# KiCad board Left.kicad_pcb
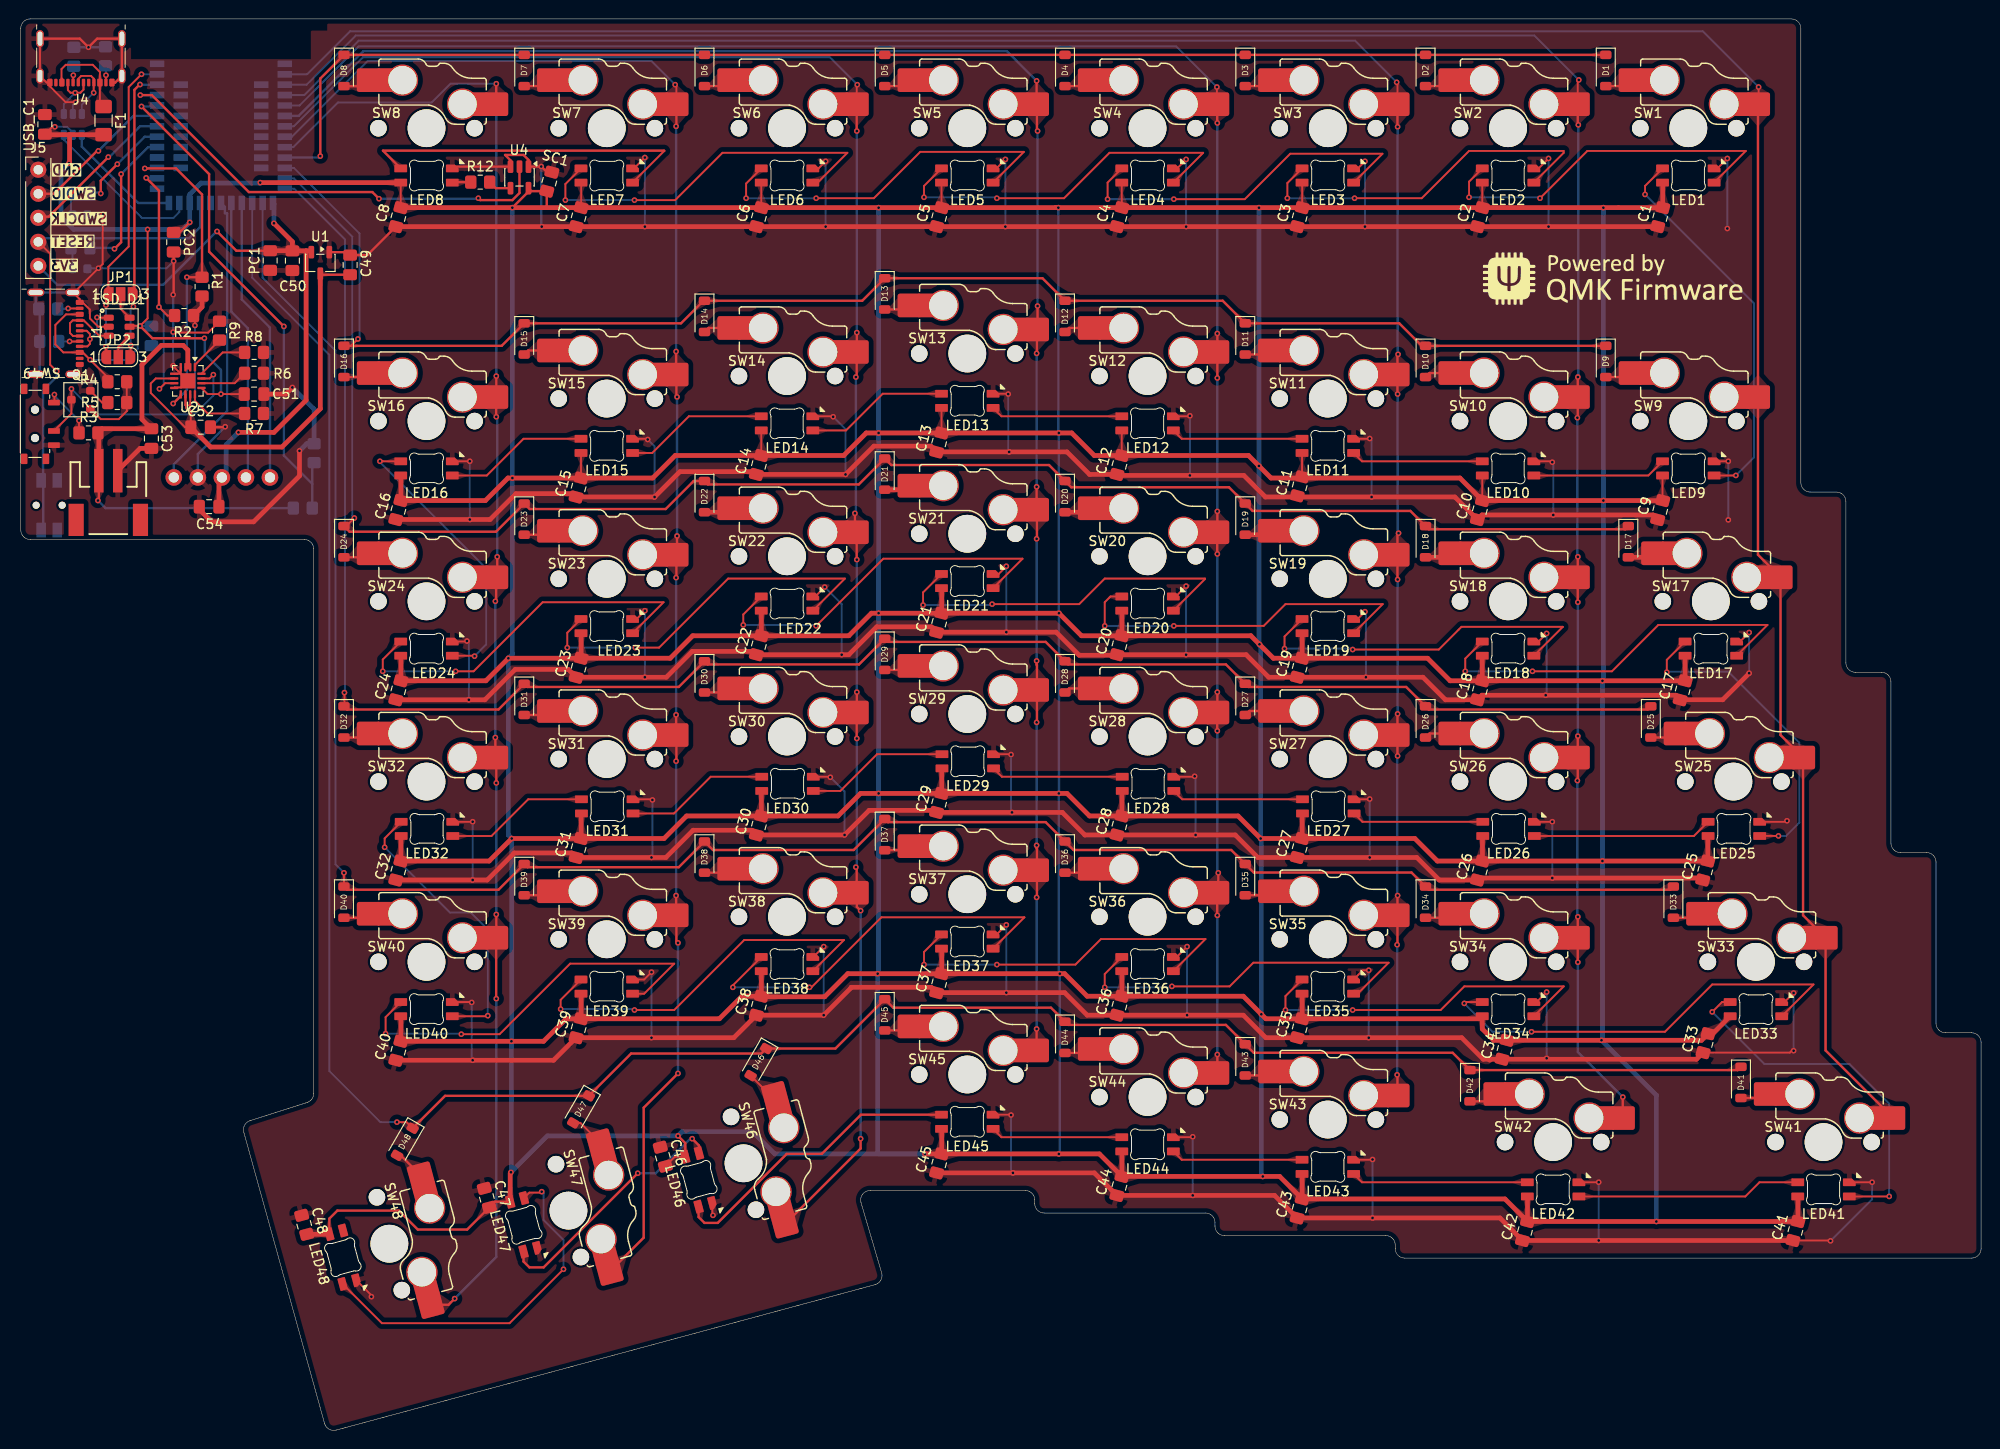
[diagram p0: board, top side]
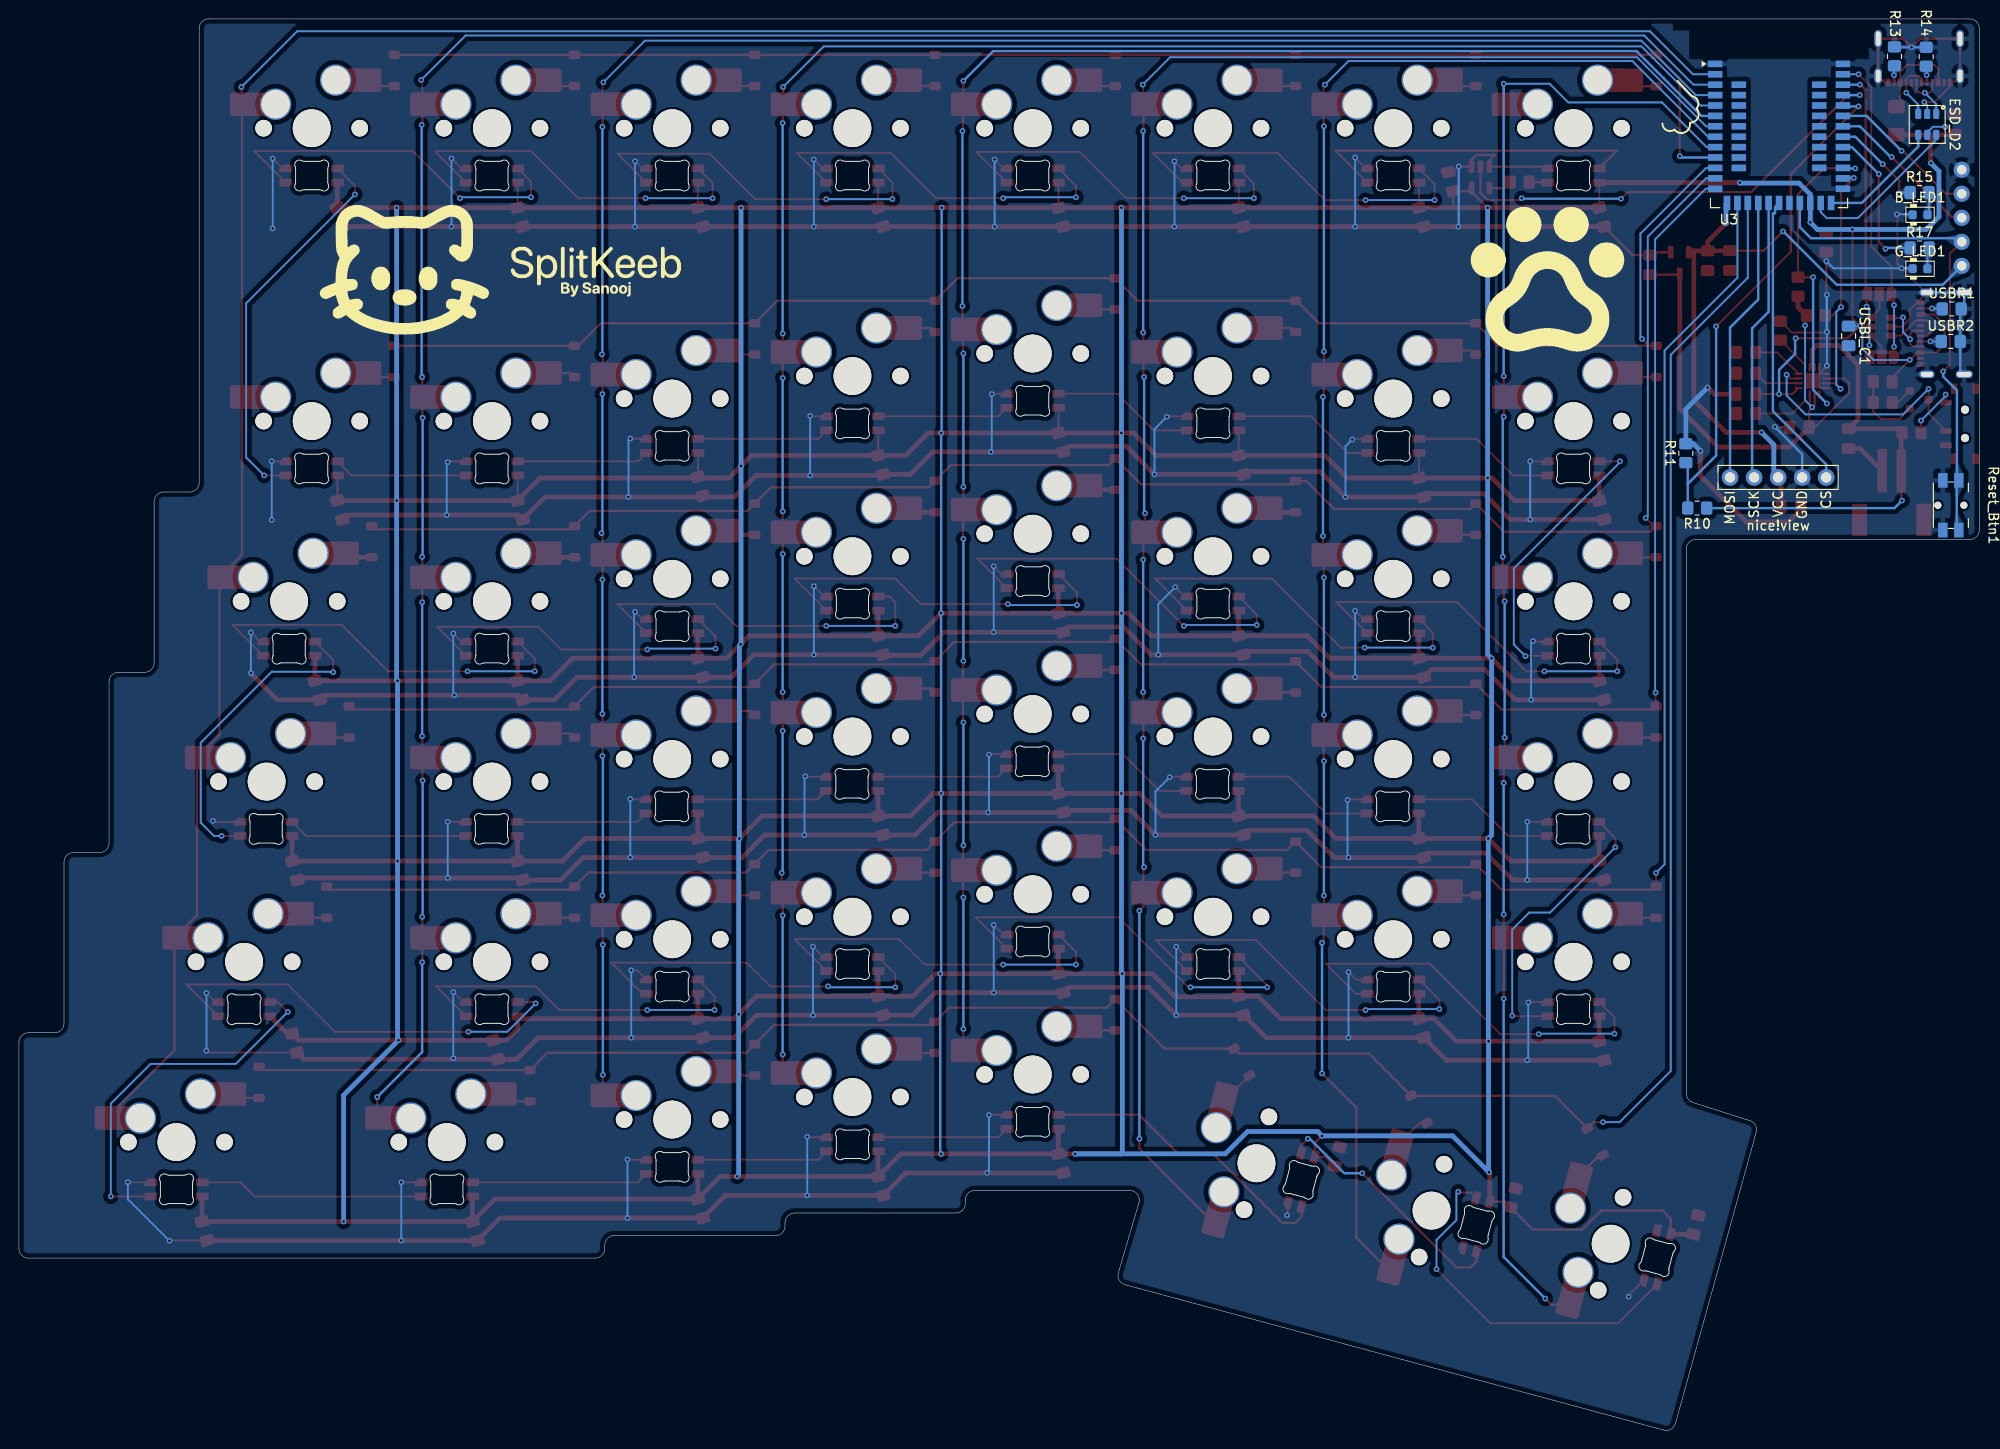
[diagram p1: board, bottom side, seen from below]

Outline 207.17 x 149.15 mm; copper layers: Top, Bottom. Coordinates in mm from the lower left corner of the outline.
Outline path: 0,148.16 arc(0.3,148.86) 1,149.15 187.12,149.15 arc(187.83,148.85) 188.12,148.15 188.12,100.14 arc(188.42,99.43) 189.13,99.14 191.89,99.14 arc(192.59,98.84) 192.88,98.14 192.88,81.09 arc(193.17,80.38) 193.88,80.09 196.64,80.09 arc(197.35,79.8) 197.64,79.09 197.64,62.04 arc(197.94,61.33) 198.64,61.04 201.41,61.04 arc(202.11,60.75) 202.41,60.04 202.41,42.99 arc(202.7,42.28) 203.42,41.99 206.18,41.99 arc(206.88,41.69) 207.17,40.99 207.17,19.17 arc(206.87,18.47) 206.17,18.18 146.25,18.18 arc(145.55,18.48) 145.26,19.18 145.26,19.56 arc(144.96,20.27) 144.26,20.56 127.21,20.56 arc(126.5,20.85) 126.21,21.56 126.21,21.94 arc(125.91,22.65) 125.2,22.94 108.15,22.94 arc(107.45,23.24) 107.16,23.94 107.16,24.32 arc(106.86,25.03) 106.16,25.32 89.76,25.32 arc(88.96,24.92) 88.8,24.04 90.99,16.59 arc(90.89,15.83) 90.28,15.37 33.33,0 arc(32.58,0.1) 32.11,0.7 23.57,31.49 arc(23.65,32.23) 24.23,32.7 30.26,34.63 arc(30.77,34.99) 30.96,35.58 30.96,93.13 arc(30.66,93.84) 29.96,94.13 1,94.13 arc(0.29,94.42) 0,95.13 0,148.16

## Placement (name value [footprint] x y rotation side)
B_LED1  LED_0603_Blue  [LED_0603_1608Metric]  6.26 128.45 180 bottom
C1  0.1uF  [C_0805_2012Metric_Pad1.18x1.45mm_HandSolder]  173.26 128.2 75 top
C2  0.1uF  [C_0805_2012Metric_Pad1.18x1.45mm_HandSolder]  154.21 128.2 75 top
C3  0.1uF  [C_0805_2012Metric_Pad1.18x1.45mm_HandSolder]  135.16 128.2 75 top
C4  0.1uF  [C_0805_2012Metric_Pad1.18x1.45mm_HandSolder]  116.11 128.2 75 top
C5  0.1uF  [C_0805_2012Metric_Pad1.18x1.45mm_HandSolder]  97.06 128.2 75 top
C6  0.1uF  [C_0805_2012Metric_Pad1.18x1.45mm_HandSolder]  78.01 128.2 75 top
C7  0.1uF  [C_0805_2012Metric_Pad1.18x1.45mm_HandSolder]  58.96 128.2 75 top
C8  0.1uF  [C_0805_2012Metric_Pad1.18x1.45mm_HandSolder]  39.91 128.2 75 top
C9  0.1uF  [C_0805_2012Metric_Pad1.18x1.45mm_HandSolder]  173.26 97.24 75 top
C10  0.1uF  [C_0805_2012Metric_Pad1.18x1.45mm_HandSolder]  154.21 97.24 75 top
C11  0.1uF  [C_0805_2012Metric_Pad1.18x1.45mm_HandSolder]  135.16 99.75 75 top
C12  0.1uF  [C_0805_2012Metric_Pad1.18x1.45mm_HandSolder]  116.11 102 75 top
C13  0.1uF  [C_0805_2012Metric_Pad1.18x1.45mm_HandSolder]  97.06 104.38 75 top
C14  0.1uF  [C_0805_2012Metric_Pad1.18x1.45mm_HandSolder]  78.01 102 75 top
C15  0.1uF  [C_0805_2012Metric_Pad1.18x1.45mm_HandSolder]  58.96 99.62 75 top
C16  0.1uF  [C_0805_2012Metric_Pad1.18x1.45mm_HandSolder]  39.91 97.24 75 top
C17  0.1uF  [C_0805_2012Metric_Pad1.18x1.45mm_HandSolder]  175.64 78.19 75 top
C18  0.1uF  [C_0805_2012Metric_Pad1.18x1.45mm_HandSolder]  154.21 78.19 75 top
C19  0.1uF  [C_0805_2012Metric_Pad1.18x1.45mm_HandSolder]  135.16 80.57 75 top
C20  0.1uF  [C_0805_2012Metric_Pad1.18x1.45mm_HandSolder]  116.11 82.95 75 top
C21  0.1uF  [C_0805_2012Metric_Pad1.18x1.45mm_HandSolder]  97.06 85.33 75 top
C22  0.1uF  [C_0805_2012Metric_Pad1.18x1.45mm_HandSolder]  78.01 82.95 75 top
C23  0.1uF  [C_0805_2012Metric_Pad1.18x1.45mm_HandSolder]  58.96 80.57 75 top
C24  0.1uF  [C_0805_2012Metric_Pad1.18x1.45mm_HandSolder]  39.91 78.19 75 top
C25  0.1uF  [C_0805_2012Metric_Pad1.18x1.45mm_HandSolder]  178.02 59.14 75 top
C26  0.1uF  [C_0805_2012Metric_Pad1.18x1.45mm_HandSolder]  154.21 59.14 75 top
C27  0.1uF  [C_0805_2012Metric_Pad1.18x1.45mm_HandSolder]  135.16 61.52 75 top
C28  0.1uF  [C_0805_2012Metric_Pad1.18x1.45mm_HandSolder]  116.11 63.9 75 top
C29  0.1uF  [C_0805_2012Metric_Pad1.18x1.45mm_HandSolder]  97.06 66.28 75 top
C30  0.1uF  [C_0805_2012Metric_Pad1.18x1.45mm_HandSolder]  78.01 63.9 75 top
C31  0.1uF  [C_0805_2012Metric_Pad1.18x1.45mm_HandSolder]  58.96 61.52 75 top
C32  0.1uF  [C_0805_2012Metric_Pad1.18x1.45mm_HandSolder]  39.91 59.14 75 top
C33  0.1uF  [C_0805_2012Metric_Pad1.18x1.45mm_HandSolder]  178.06 40.9 75 top
C34  0.1uF  [C_0805_2012Metric_Pad1.18x1.45mm_HandSolder]  156.81 40.2 75 top
C35  0.1uF  [C_0805_2012Metric_Pad1.18x1.45mm_HandSolder]  135.16 42.47 75 top
C36  0.1uF  [C_0805_2012Metric_Pad1.18x1.45mm_HandSolder]  116.11 44.85 75 top
C37  0.1uF  [C_0805_2012Metric_Pad1.18x1.45mm_HandSolder]  97.06 47.23 75 top
C38  0.1uF  [C_0805_2012Metric_Pad1.18x1.45mm_HandSolder]  78.01 44.85 75 top
C39  0.1uF  [C_0805_2012Metric_Pad1.18x1.45mm_HandSolder]  58.96 42.47 75 top
C40  0.1uF  [C_0805_2012Metric_Pad1.18x1.45mm_HandSolder]  39.91 40.09 75 top
C41  0.1uF  [C_0805_2012Metric_Pad1.18x1.45mm_HandSolder]  187.54 21.04 75 top
C42  0.1uF  [C_0805_2012Metric_Pad1.18x1.45mm_HandSolder]  158.97 21.04 75 top
C43  0.1uF  [C_0805_2012Metric_Pad1.18x1.45mm_HandSolder]  135.16 23.42 75 top
C44  0.1uF  [C_0805_2012Metric_Pad1.18x1.45mm_HandSolder]  116.11 25.8 75 top
C45  0.1uF  [C_0805_2012Metric_Pad1.18x1.45mm_HandSolder]  97.06 28.18 75 top
C46  0.1uF  [C_0805_2012Metric_Pad1.18x1.45mm_HandSolder]  67.86 28.9 285 top
C47  0.1uF  [C_0805_2012Metric_Pad1.18x1.45mm_HandSolder]  49.26 24.55 285 top
C48  0.1uF  [C_0805_2012Metric_Pad1.18x1.45mm_HandSolder]  29.96 21.7 285 top
C49  1u  [C_0805_2012Metric_Pad1.18x1.45mm_HandSolder]  34.81 123.15 90 top
C50  1u  [C_0805_2012Metric_Pad1.18x1.45mm_HandSolder]  28.71 123.6 270 top
C51  4.7uF  [C_0805_2012Metric_Pad1.18x1.45mm_HandSolder]  24.66 109.5 0 top
C52  4.7uF  [C_0805_2012Metric_Pad1.18x1.45mm_HandSolder]  19.01 106 0 top
C53  4.7uF  [C_0805_2012Metric_Pad1.18x1.45mm_HandSolder]  13.81 104.8 270 top
C54  0.1u  [C_0805_2012Metric_Pad1.18x1.45mm_HandSolder]  19.91 97.6 180 top
D1  D  [D_SOD-123]  167.51 143.7 270 top
D2  D  [D_SOD-123]  148.46 143.7 270 top
D3  D  [D_SOD-123]  129.41 143.7 270 top
D4  D  [D_SOD-123]  110.36 143.7 270 top
D5  D  [D_SOD-123]  91.31 143.7 270 top
D6  D  [D_SOD-123]  72.26 143.7 270 top
D7  D  [D_SOD-123]  53.21 143.7 270 top
D8  D  [D_SOD-123]  34.16 143.7 270 top
D9  D  [D_SOD-123]  167.51 112.95 270 top
D10  D  [D_SOD-123]  148.46 112.95 270 top
D11  D  [D_SOD-123]  129.41 115.33 270 top
D12  D  [D_SOD-123]  110.36 117.71 270 top
D13  D  [D_SOD-123]  91.31 120.09 270 top
D14  D  [D_SOD-123]  72.26 117.71 270 top
D15  D  [D_SOD-123]  53.21 115.33 270 top
D16  D  [D_SOD-123]  34.16 112.95 270 top
D17  D  [D_SOD-123]  169.89 93.9 270 top
D18  D  [D_SOD-123]  148.46 93.9 270 top
D19  D  [D_SOD-123]  129.41 96.28 270 top
D20  D  [D_SOD-123]  110.36 98.66 270 top
D21  D  [D_SOD-123]  91.31 101.04 270 top
D22  D  [D_SOD-123]  72.26 98.66 270 top
D23  D  [D_SOD-123]  53.21 96.28 270 top
D24  D  [D_SOD-123]  34.16 93.9 270 top
D25  D  [D_SOD-123]  172.27 74.85 270 top
D26  D  [D_SOD-123]  148.46 74.85 270 top
D27  D  [D_SOD-123]  129.41 77.23 270 top
D28  D  [D_SOD-123]  110.36 79.61 270 top
D29  D  [D_SOD-123]  91.31 81.99 270 top
D30  D  [D_SOD-123]  72.26 79.61 270 top
D31  D  [D_SOD-123]  53.21 77.23 270 top
D32  D  [D_SOD-123]  34.16 74.85 270 top
D33  D  [D_SOD-123]  174.65 55.8 270 top
D34  D  [D_SOD-123]  148.46 55.8 270 top
D35  D  [D_SOD-123]  129.41 58.18 270 top
D36  D  [D_SOD-123]  110.36 60.56 270 top
D37  D  [D_SOD-123]  91.31 62.94 270 top
D38  D  [D_SOD-123]  72.26 60.56 270 top
D39  D  [D_SOD-123]  53.21 58.18 270 top
D40  D  [D_SOD-123]  34.16 55.8 270 top
D41  D  [D_SOD-123]  181.79 36.75 270 top
D42  D  [D_SOD-123]  153.16 36.4 270 top
D43  D  [D_SOD-123]  129.41 39.13 270 top
D44  D  [D_SOD-123]  110.36 41.51 270 top
D45  D  [D_SOD-123]  91.31 43.89 270 top
D46  D  [D_SOD-123]  77.96 38.9 240 top
D47  D  [D_SOD-123]  59.21 33.9 240 top
D48  D  [D_SOD-123]  40.59 30.47 240 top
ESD_D1  USBLC6-2SC6  [SOT-23-6]  10.4 116.61 0 top
ESD_D2  USBLC6-2SC6  [SOT-23-6#2]  5.5 138 270 bottom
F1  750mA  [Fuse_1206_3216Metric_Pad1.42x1.75mm_HandSolder]  8.75 138.4 270 top
G***  -  [LOGO]  168.29 121.72 0 top
G***#2  -  [LOGO]  166.43 123.05 180 bottom
G***#3  -  [LOGO]  146.23 122.95 180 bottom
G***#4  -  [LOGO]  45.63 121.8 180 bottom
G_LED1  LED_0603_Green  [LED_0603_1608Metric]  6.26 122.75 180 bottom
J1  USB_C_Receptacle_USB2.0_16P  [USB_C_Receptacle_HRO_TYPE-C-31-M-23]  3.8 115.91 270 top
J3  JST_2mm_LiPo  [JST_1x02_P2.0mm_Horizontal_SMD]  9.25 97.7 180 top
J4  USB_C_Receptacle_USB2.0_16P  [USB_C_Receptacle_HRO_TYPE-C-31-M-23]  6.36 144.85 180 top
J5  DEV_HEADERS  [PinHeader_01x05_P2.54mm_Vertical_THT_D1mm]  1.85 133.21 0 top
JP1  SolderJumper  [SolderJumper-3_P1.3mm_Open_RoundedPad1.0x1.5mm_NumberLabels]  10.56 120.05 0 top
JP2  SolderJumper  [SolderJumper-3_P1.3mm_Open_RoundedPad1.0x1.5mm_NumberLabels]  10.31 113.4 0 top
LED1  MX_SK6812MINI-E  [LED_MX_6028R-ROT]  176.23 132.6 0 top
LED2  MX_SK6812MINI-E  [LED_MX_6028R-ROT]  157.18 132.6 0 top
LED3  MX_SK6812MINI-E  [LED_MX_6028R-ROT]  138.13 132.6 0 top
LED4  MX_SK6812MINI-E  [LED_MX_6028R-ROT]  119.08 132.6 0 top
LED5  MX_SK6812MINI-E  [LED_MX_6028R-ROT]  100.03 132.6 0 top
LED6  MX_SK6812MINI-E  [LED_MX_6028R-ROT]  80.98 132.6 0 top
LED7  MX_SK6812MINI-E  [LED_MX_6028R-ROT]  61.93 132.6 0 top
LED8  MX_SK6812MINI-E  [LED_MX_6028R-ROT]  42.88 132.6 0 top
LED9  MX_SK6812MINI-E  [LED_MX_6028R-ROT]  176.23 101.64 0 top
LED10  MX_SK6812MINI-E  [LED_MX_6028R-ROT]  157.18 101.64 0 top
LED11  MX_SK6812MINI-E  [LED_MX_6028R-ROT]  138.13 104.02 0 top
LED12  MX_SK6812MINI-E  [LED_MX_6028R-ROT]  119.08 106.4 0 top
LED13  MX_SK6812MINI-E  [LED_MX_6028R-ROT]  100.03 108.78 0 top
LED14  MX_SK6812MINI-E  [LED_MX_6028R-ROT]  80.98 106.4 0 top
LED15  MX_SK6812MINI-E  [LED_MX_6028R-ROT]  61.93 104.02 0 top
LED16  MX_SK6812MINI-E  [LED_MX_6028R-ROT]  42.88 101.64 0 top
LED17  MX_SK6812MINI-E  [LED_MX_6028R-ROT]  178.61 82.59 0 top
LED18  MX_SK6812MINI-E  [LED_MX_6028R-ROT]  157.18 82.59 0 top
LED19  MX_SK6812MINI-E  [LED_MX_6028R-ROT]  138.13 84.97 0 top
LED20  MX_SK6812MINI-E  [LED_MX_6028R-ROT]  119.08 87.35 0 top
LED21  MX_SK6812MINI-E  [LED_MX_6028R-ROT]  100.03 89.73 0 top
LED22  MX_SK6812MINI-E  [LED_MX_6028R-ROT]  80.98 87.35 0 top
LED23  MX_SK6812MINI-E  [LED_MX_6028R-ROT]  61.93 84.97 0 top
LED24  MX_SK6812MINI-E  [LED_MX_6028R-ROT]  42.88 82.59 0 top
LED25  MX_SK6812MINI-E  [LED_MX_6028R-ROT]  181.04 63.54 0 top
LED26  MX_SK6812MINI-E  [LED_MX_6028R-ROT]  157.23 63.54 0 top
LED27  MX_SK6812MINI-E  [LED_MX_6028R-ROT]  138.18 65.92 0 top
LED28  MX_SK6812MINI-E  [LED_MX_6028R-ROT]  119.13 68.3 0 top
LED29  MX_SK6812MINI-E  [LED_MX_6028R-ROT]  100.08 70.68 0 top
LED30  MX_SK6812MINI-E  [LED_MX_6028R-ROT]  81.03 68.3 0 top
LED31  MX_SK6812MINI-E  [LED_MX_6028R-ROT]  61.98 65.92 0 top
LED32  MX_SK6812MINI-E  [LED_MX_6028R-ROT]  42.93 63.54 0 top
LED33  MX_SK6812MINI-E  [LED_MX_6028R-ROT]  183.38 44.49 0 top
LED34  MX_SK6812MINI-E  [LED_MX_6028R-ROT]  157.18 44.49 0 top
LED35  MX_SK6812MINI-E  [LED_MX_6028R-ROT]  138.13 46.87 0 top
LED36  MX_SK6812MINI-E  [LED_MX_6028R-ROT]  119.08 49.25 0 top
LED37  MX_SK6812MINI-E  [LED_MX_6028R-ROT]  100.03 51.63 0 top
LED38  MX_SK6812MINI-E  [LED_MX_6028R-ROT]  80.98 49.25 0 top
LED39  MX_SK6812MINI-E  [LED_MX_6028R-ROT]  61.93 46.87 0 top
LED40  MX_SK6812MINI-E  [LED_MX_6028R-ROT]  42.88 44.49 0 top
LED41  MX_SK6812MINI-E  [LED_MX_6028R-ROT]  190.52 25.44 0 top
LED42  MX_SK6812MINI-E  [LED_MX_6028R-ROT]  161.94 25.44 0 top
LED43  MX_SK6812MINI-E  [LED_MX_6028R-ROT]  138.13 27.82 0 top
LED44  MX_SK6812MINI-E  [LED_MX_6028R-ROT]  119.08 30.2 0 top
LED45  MX_SK6812MINI-E  [LED_MX_6028R-ROT]  100.03 32.58 0 top
LED46  MX_SK6812MINI-E  [LED_MX_6028R-ROT#2]  71.66 26.45 285 top
LED47  MX_SK6812MINI-E  [LED_MX_6028R-ROT]  53.16 21.7 285 top
LED48  MX_SK6812MINI-E  [LED_MX_6028R-ROT#2]  34.04 18.27 285 top
OLED1  nice!view  [nice_view]  21.26 117.2 180 bottom
PC1  0.1u  [C_0805_2012Metric_Pad1.18x1.45mm_HandSolder]  26.36 123.61 270 top
PC2  0.1u  [C_0805_2012Metric_Pad1.18x1.45mm_HandSolder]  16.16 125.55 270 top
Q1  2N7002  [SOT-23]  6.35 108.9 180 top
R1  10k  [R_0805_2012Metric_Pad1.20x1.40mm_HandSolder]  19.16 120.85 270 top
R2  10k  [R_0805_2012Metric_Pad1.20x1.40mm_HandSolder]  17.26 117.8 0 top
R3  100k  [R_0805_2012Metric_Pad1.20x1.40mm_HandSolder]  7.16 105.4 0 top
R4  100R  [R_0805_2012Metric_Pad1.20x1.40mm_HandSolder]  10.2 110.8 180 top
R5  10k  [R_0805_2012Metric_Pad1.20x1.40mm_HandSolder]  10.2 108.6 0 top
R6  47k  [R_0805_2012Metric_Pad1.20x1.40mm_HandSolder]  24.66 111.7 180 top
R7  1.5k  [R_0805_2012Metric_Pad1.20x1.40mm_HandSolder]  24.66 107.45 180 top
R8  3.9k  [R_0805_2012Metric_Pad1.20x1.40mm_HandSolder]  24.66 113.9 180 top
R9  10k  [R_0805_2012Metric_Pad1.20x1.40mm_HandSolder]  21.01 116.2 270 top
R10  806/820k  [R_0805_2012Metric_Pad1.20x1.40mm_HandSolder]  29.81 97.45 0 bottom
R11  2M  [R_0805_2012Metric_Pad1.20x1.40mm_HandSolder]  31.01 103.25 90 bottom
R12  470  [R_0805_2012Metric_Pad1.20x1.40mm_HandSolder]  48.56 131.9 0 top
R13  5.1k  [R_0805_2012Metric_Pad1.20x1.40mm_HandSolder]  8.96 145.2 90 bottom
R14  5.1k  [R_0805_2012Metric_Pad1.20x1.40mm_HandSolder]  5.61 145.15 90 bottom
R15  1k  [R_0805_2012Metric_Pad1.20x1.40mm_HandSolder]  6.31 130.8 180 bottom
R17  1k  [R_0805_2012Metric_Pad1.20x1.40mm_HandSolder]  6.31 124.95 180 bottom
Reset_Btn1  SW_Push  [Panasonic_EVQPUL_EVQPUC]  3 97.75 270 bottom
SC1  0.1uF  [C_0805_2012Metric_Pad1.18x1.45mm_HandSolder]  55.86 131.95 75 top
SW1  SW_Push  [SW_MX_HS_KS-2P02B01-01_1u]  176.23 137.6 0 top
SW2  SW_Push  [SW_MX_HS_KS-2P02B01-01_1u]  157.18 137.6 0 top
SW3  SW_Push  [SW_MX_HS_KS-2P02B01-01_1u]  138.13 137.6 0 top
SW4  SW_Push  [SW_MX_HS_KS-2P02B01-01_1u]  119.08 137.6 0 top
SW5  SW_Push  [SW_MX_HS_KS-2P02B01-01_1u]  100.03 137.6 0 top
SW6  SW_Push  [SW_MX_HS_KS-2P02B01-01_1u]  80.98 137.6 0 top
SW7  SW_Push  [SW_MX_HS_KS-2P02B01-01_1u]  61.93 137.6 0 top
SW8  SW_Push  [SW_MX_HS_KS-2P02B01-01_1u]  42.88 137.6 0 top
SW9  SW_Push  [SW_MX_HS_KS-2P02B01-01_1u]  176.23 106.64 0 top
SW10  SW_Push  [SW_MX_HS_KS-2P02B01-01_1u]  157.18 106.64 0 top
SW11  SW_Push  [SW_MX_HS_KS-2P02B01-01_1u]  138.13 109.02 0 top
SW12  SW_Push  [SW_MX_HS_KS-2P02B01-01_1u]  119.08 111.4 0 top
SW13  SW_Push  [SW_MX_HS_KS-2P02B01-01_1u]  100.03 113.78 0 top
SW14  SW_Push  [SW_MX_HS_KS-2P02B01-01_1u]  80.98 111.4 0 top
SW15  SW_Push  [SW_MX_HS_KS-2P02B01-01_1u]  61.93 109.02 0 top
SW16  SW_Push  [SW_MX_HS_KS-2P02B01-01_1u]  42.88 106.64 0 top
SW17  SW_Push  [SW_MX_HS_KS-2P02B01-01_1.25u]  178.61 87.59 0 top
SW18  SW_Push  [SW_MX_HS_KS-2P02B01-01_1u]  157.18 87.59 0 top
SW19  SW_Push  [SW_MX_HS_KS-2P02B01-01_1u]  138.13 89.97 0 top
SW20  SW_Push  [SW_MX_HS_KS-2P02B01-01_1u]  119.08 92.35 0 top
SW21  SW_Push  [SW_MX_HS_KS-2P02B01-01_1u]  100.03 94.73 0 top
SW22  SW_Push  [SW_MX_HS_KS-2P02B01-01_1u]  80.98 92.35 0 top
SW23  SW_Push  [SW_MX_HS_KS-2P02B01-01_1u]  61.93 89.97 0 top
SW24  SW_Push  [SW_MX_HS_KS-2P02B01-01_1u]  42.88 87.59 0 top
SW25  SW_Push  [SW_MX_HS_KS-2P02B01-01_1.5u]  180.99 68.54 0 top
SW26  SW_Push  [SW_MX_HS_KS-2P02B01-01_1u]  157.18 68.54 0 top
SW27  SW_Push  [SW_MX_HS_KS-2P02B01-01_1u]  138.13 70.92 0 top
SW28  SW_Push  [SW_MX_HS_KS-2P02B01-01_1u]  119.08 73.3 0 top
SW29  SW_Push  [SW_MX_HS_KS-2P02B01-01_1u]  100.03 75.68 0 top
SW30  SW_Push  [SW_MX_HS_KS-2P02B01-01_1u]  80.98 73.3 0 top
SW31  SW_Push  [SW_MX_HS_KS-2P02B01-01_1u]  61.93 70.92 0 top
SW32  SW_Push  [SW_MX_HS_KS-2P02B01-01_1u]  42.88 68.54 0 top
SW33  SW_Push  [SW_MX_HS_KS-2P02B01-01_1.75u]  183.38 49.49 0 top
SW34  SW_Push  [SW_MX_HS_KS-2P02B01-01_1u]  157.18 49.49 0 top
SW35  SW_Push  [SW_MX_HS_KS-2P02B01-01_1u]  138.13 51.87 0 top
SW36  SW_Push  [SW_MX_HS_KS-2P02B01-01_1u]  119.08 54.25 0 top
SW37  SW_Push  [SW_MX_HS_KS-2P02B01-01_1u]  100.03 56.63 0 top
SW38  SW_Push  [SW_MX_HS_KS-2P02B01-01_1u]  80.98 54.25 0 top
SW39  SW_Push  [SW_MX_HS_KS-2P02B01-01_1u]  61.93 51.87 0 top
SW40  SW_Push  [SW_MX_HS_KS-2P02B01-01_1u]  42.88 49.49 0 top
SW41  SW_Push  [SW_MX_HS_KS-2P02B01-01_1.5u]  190.52 30.44 0 top
SW42  SW_Push  [SW_MX_HS_KS-2P02B01-01_1.5u]  161.94 30.44 0 top
SW43  SW_Push  [SW_MX_HS_KS-2P02B01-01_1u]  138.13 32.82 0 top
SW44  SW_Push  [SW_MX_HS_KS-2P02B01-01_1u]  119.08 35.2 0 top
SW45  SW_Push  [SW_MX_HS_KS-2P02B01-01_1u]  100.03 37.58 0 top
SW46  SW_Push  [SW_MX_HS_KS-2P02B01-01_1.25u]  76.38 28.2 285 top
SW47  SW_Push  [SW_MX_HS_KS-2P02B01-01_1.5u]  57.88 23.2 285 top
SW48  SW_Push  [SW_MX_HS_KS-2P02B01-01_1.75u]  38.96 19.7 285 top
SW49  SW_PWR  [SW_MSK12C02-HB]  1.51 106.35 90 top
U1  XC6206PxxxMR  [SOT-23-3]  31.66 123.36 270 top
U2  BQ24075RGT  [VQFN-16-1EP_3x3mm_P0.5mm_EP1.6x1.6mm]  17.66 110.9 270 top
U3  -  [nRF52840_holyiot_18010]  21.16 138.7 180 bottom
U4  SN74LV1T125DBV  [SOT-23-5]  52.71 132.4 270 top
USB_C1  0.1uF  [C_0805_2012Metric_Pad1.18x1.45mm_HandSolder]  2.55 138 90 top
USBI_C1  0.1uF  [C_0805_2012Metric_Pad1.18x1.45mm_HandSolder]  13.81 115.65 270 bottom
USBR1  5.1k  [R_0805_2012Metric_Pad1.20x1.40mm_HandSolder]  2.91 118.5 180 bottom
USBR2  5.1k  [R_0805_2012Metric_Pad1.20x1.40mm_HandSolder]  3.01 115.06 180 bottom

## Library data of the parts
B_LED1 = -: Description: Blue SMD LED, 0603, Alternate KiCad Library; ki_fp_filters: LED* LED_SMD:* LED_THT:*
C1-C48 C51-C54 SC1 USBI_C1 = -: Description: Unpolarized capacitor; ki_fp_filters: C_*
C49 C50 PC1 PC2 = -: Notes: X7R, 10%; ki_fp_filters: C_*
D1-D48 = -: Description: Diode; Sim.Pins: 1=K 2=A; ki_fp_filters: TO-???* *_Diode_* *SingleDiode* D_*
ESD_D1 ESD_D2 = -: Datasheet: https://www.tme.eu/Document/db59d28d28a96c34f26d05f234ff409c/USBLC6-2.pdf; Description: SOT-23-6 TVS Diode Array, 2 protected lines, positive connection, 5.25V, Alternate KiCAD Library; ki_fp_filters: TO-???* *_Diode_* *SingleDiode* D_*
F1 = -: LCSC: C135341; ki_fp_filters: *polyfuse* *PTC*
G_LED1 = -: Description: Green SMD LED, 0603, Alternate KiCad Library; ki_fp_filters: LED* LED_SMD:* LED_THT:*
J1 J4 = -: Datasheet: https://www.usb.org/sites/default/files/documents/usb_type-c.zip; Description: USB 2.0-only 16P Type-C Receptacle connector; ki_fp_filters: USB*C*Receptacle*
J3 = -: Description: 2 Pin 2mm JST Battery Connector; PROD_ID: CONN-11443; ki_fp_filters: Connector*:*_1x??_*
J5 = -: Description: Male connector, single row; ki_fp_filters: *PinHeader*1x05*
JP1 JP2 = -: Description: Solder Jumper, 3-pole, open; ki_fp_filters: SolderJumper*Open*
LED1-LED48 = -: Description: Reverse mount adressable LED (WS2812 protocol)
OLED1 = -: Datasheet: https://nicekeyboards.com/docs/nice-view/pinout-schematic; Description: Sharp LS011B7DH03 Memory in Pixel 160x68; ki_fp_filters: nice*
Q1 = -: Datasheet: https://www.tme.eu/Document/7df5cae36abdfcedddb681f5be886f05/2N7000.pdf; Description: SOT-23 N-MOSFET enchancement mode transistor, 60V, 115mA, 200mW, Alternate KiCAD Library
R1-R15 R17 USBR1 USBR2 = -: Description: Resistor; ki_fp_filters: R_*
Reset_Btn1 = -: Aliexpress: https://www.aliexpress.com/item/1005005453787620.html?spm=a2g0o.productlist.main.1.11d71ae5j97qJo&algo_pvid=568eff6e-180e-4b37-958c-7c0a3b0f84d9&algo_exp_id=568eff6e-180e-4b37-958c-7c0a3b0f84d9-0&pdp_npi=4%40dis%21BRL%2110.94%219.89%21%21%2113.03%2111.78%21%402103273e17319427737965163e3c62%2112000038111003831%21sea%21BR%214340077984%21X&curPageLogUid=5a6rqzQqwGi2&utparam-url=scene%3Asearch%7Cquery_from%3A; LCSC: C79175
SW1-SW45 SW47 = -: Description: Push button switch, normally open, two pins, 45° tilted
SW49 = -: Description: Switch, single pole double throw
U1 = -: Datasheet: https://www.torexsemi.com/file/xc6206/XC6206.pdf; Description: Positive 60-250mA Low Dropout Regulator, Fixed Output, SOT-23; ki_fp_filters: SOT?23?3*
U2 = -: Datasheet: http://www.ti.com/lit/ds/symlink/bq24075.pdf; Description: USB-Friendly Li-Ion Battery Charger and Power-Path Management, VQFN-16; ki_fp_filters: VQFN*1EP*3x3mm*P0.5mm*
U3 = -: Datasheet: http://www.holyiot.com/tp/2019042516322180424.pdf; Description: nRF52840 BT LE module
U4 = -: Datasheet: https://www.ti.com/lit/ds/symlink/sn74lv1t125.pdf; Description: Single Power Supply, Single Buffer Gate with 3-State Output, CMOS Logic Level Shifter Level Shifter, SOT-23-5; ki_fp_filters: SOT?23*
USB_C1 = -: LCSC: C307331; ki_fp_filters: C_*
